# Altium PCB NodeSensor2.1.PcbDoc
Units mm, origin at the board's own origin, x right, y up, seen from the top; angles counter-clockwise.
Board outline 81.83 x 107.11 mm, 2 copper layers (Top Layer, Bottom Layer); 39 components, 46 nets, 177 pads, 15 vias.
Unrouted connection lines stored in the file: 1.
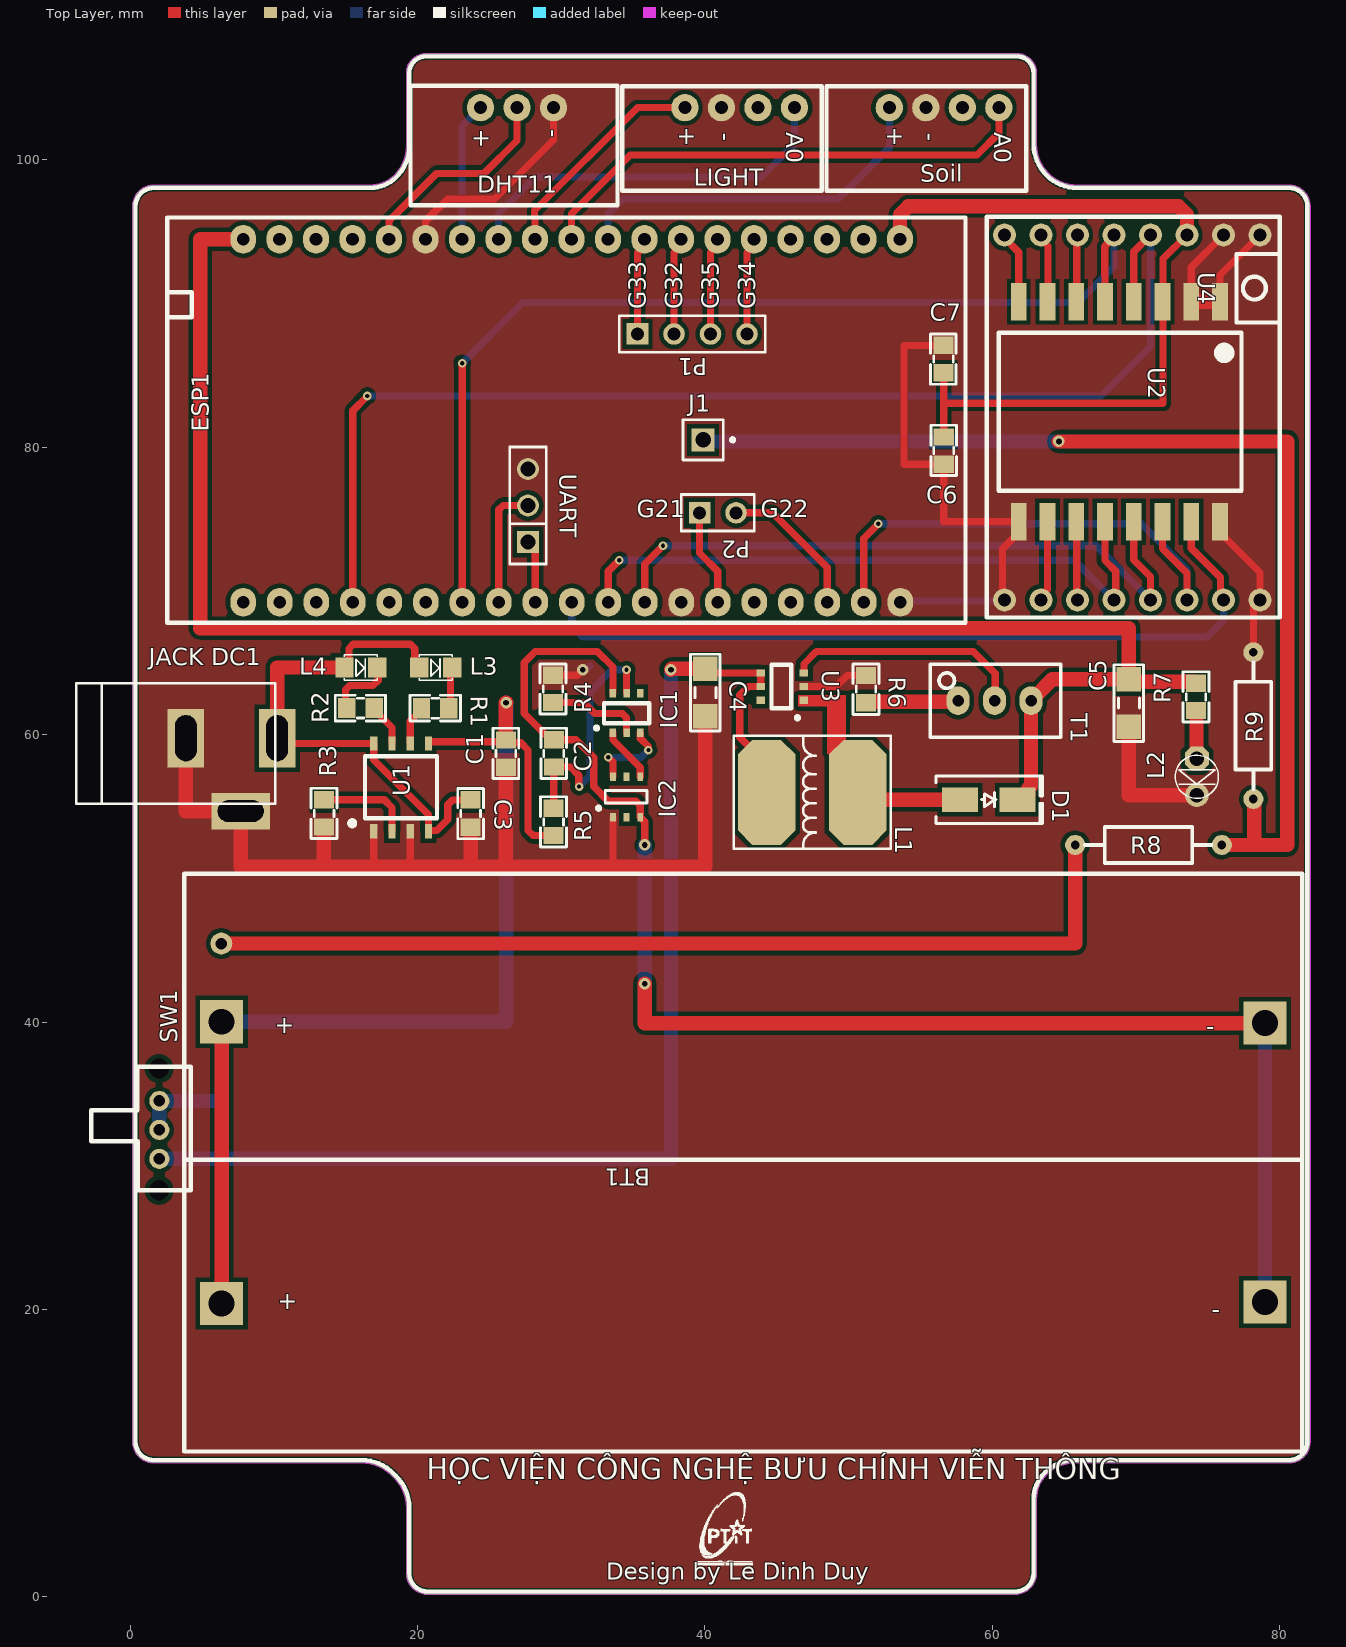
[diagram p0: Top Layer view]
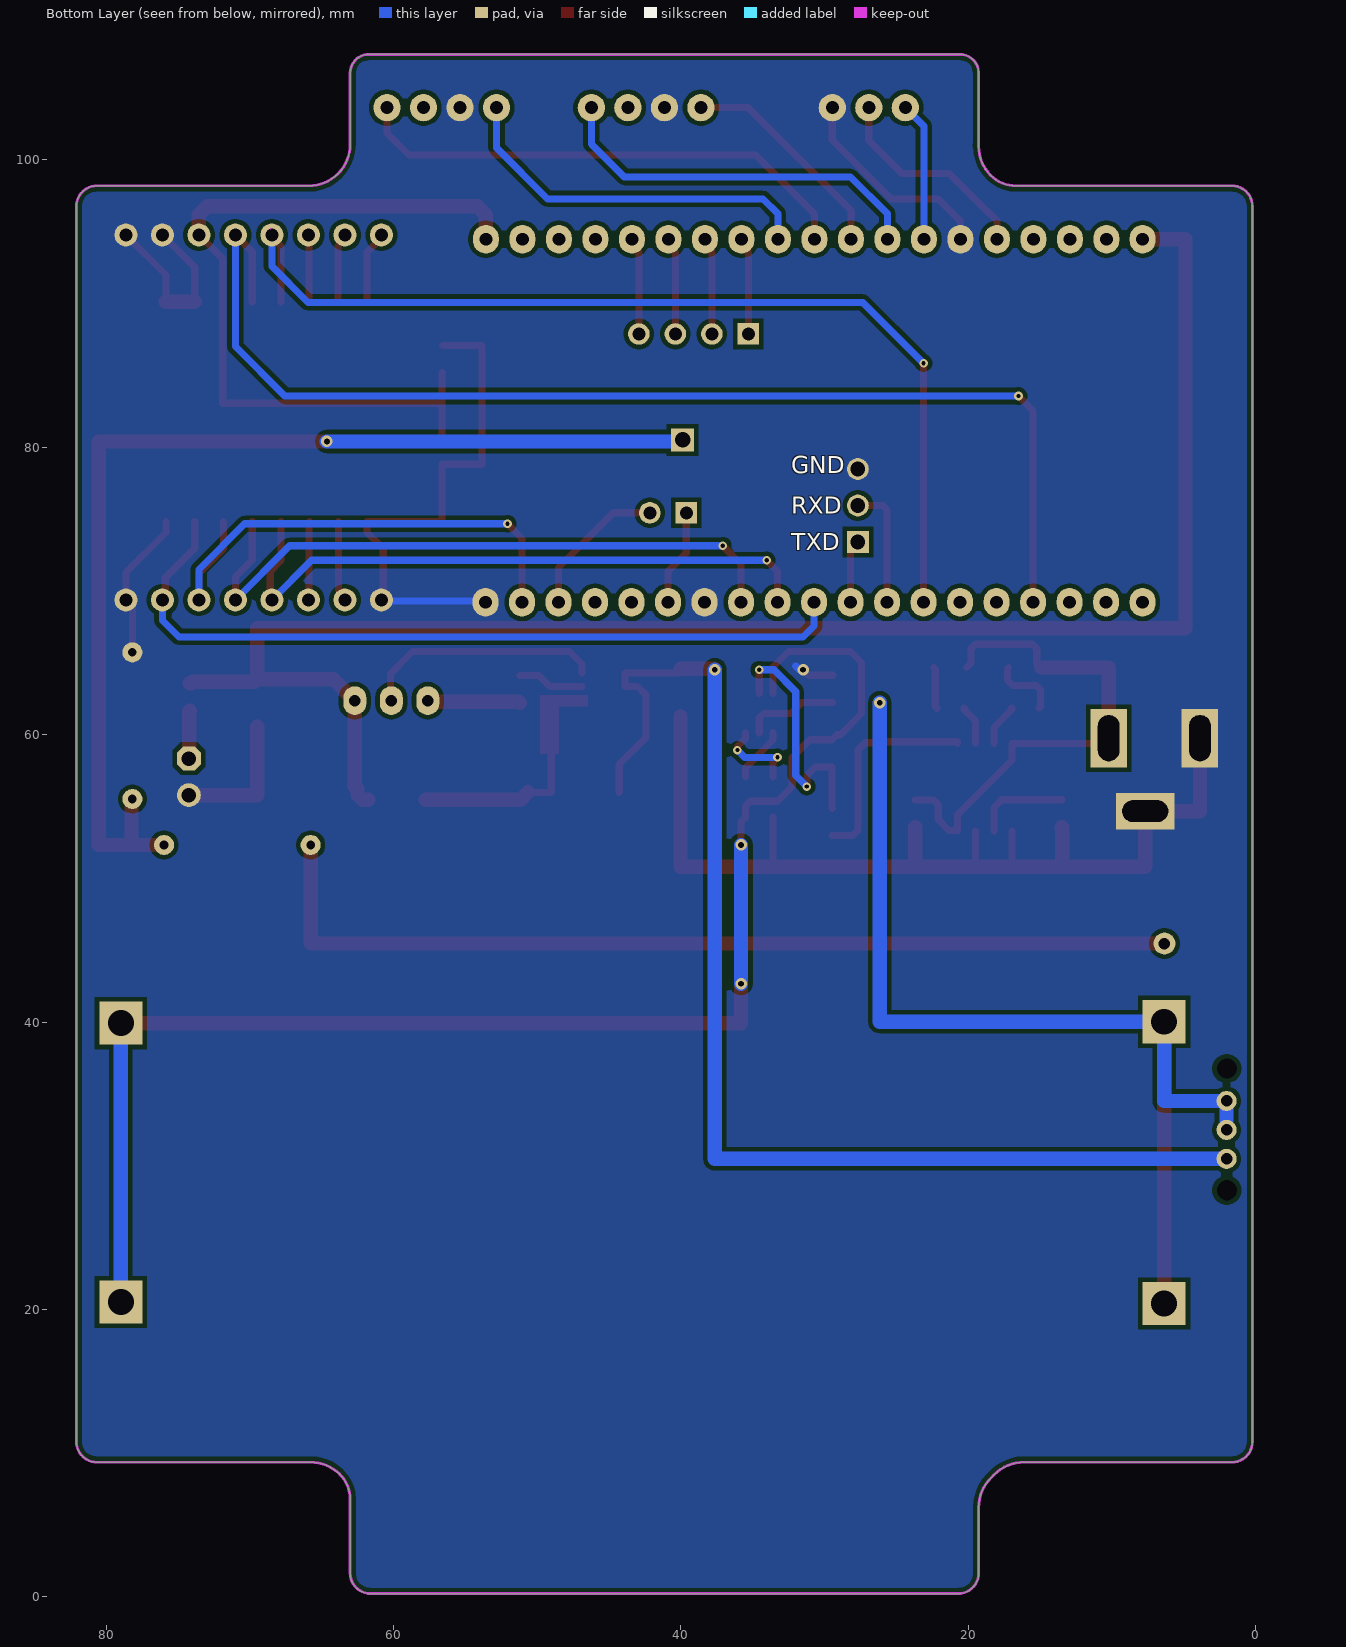
[diagram p1: Bottom Layer view, seen from below]
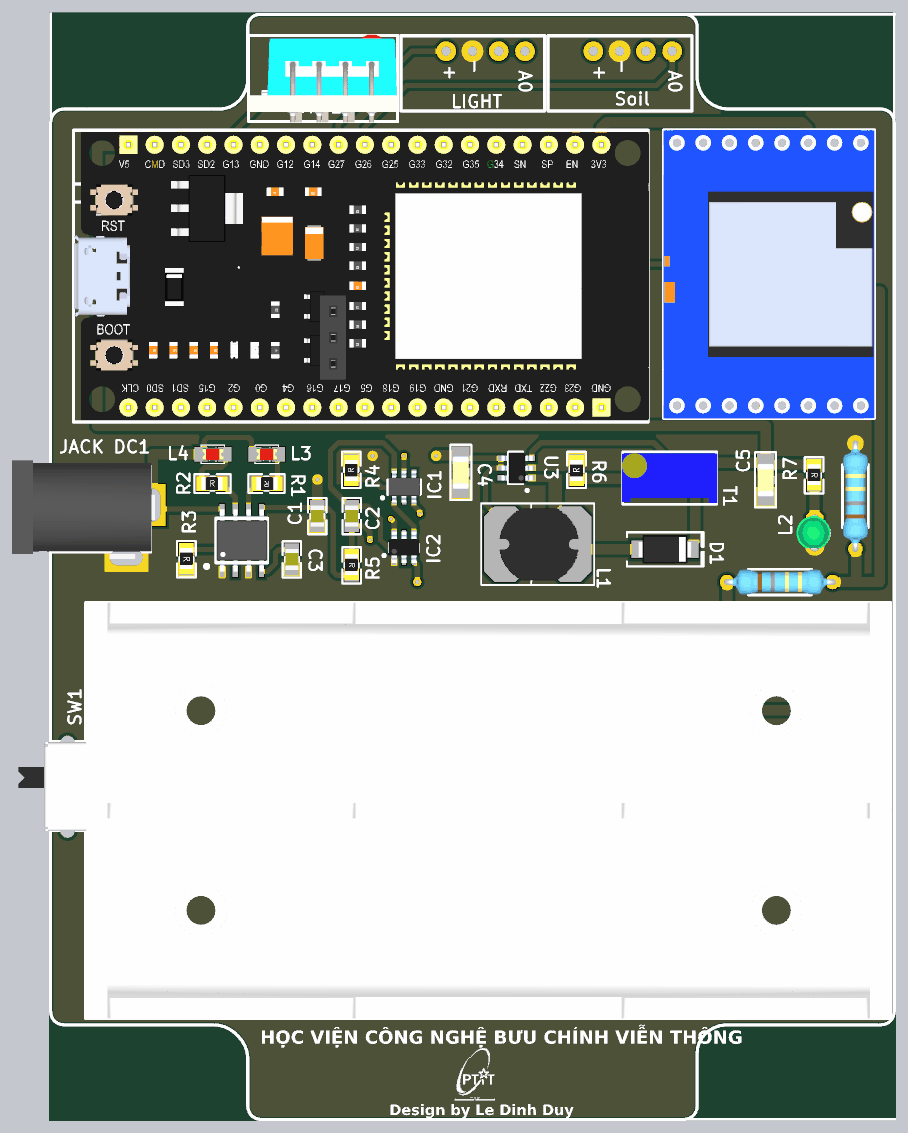
[diagram p2: 3D render of the assembled board from above, using the file's embedded part models]

## Layer stack, top to bottom
Top Solder: solder mask 0.0102, Solder Resist, Dk 3.5
Top Layer: signal copper 0.0356
Dielectric 1: dielectric 0.32, FR-4, Dk 4.8
Bottom Layer: signal copper 0.0356
Bottom Solder: solder mask 0.0102, Solder Resist, Dk 3.5

## Board outline
16.129,9.375 cw(c16.129,6.459) 18.191,8.521 18.427,8.285 cw(c16.365,6.223) 19.281,6.223 19.281,1.651 ccw(c20.701,1.651) 20.701,0.231 61.595,0.231 ccw(c61.595,1.651) 63.015,1.651 63.015,6.796 cw(c65.467,6.796) 63.733,8.529 cw(c63.761,8.501) 63.733,8.53 cw(c65.773,6.49) 65.773,9.375 80.645,9.375 ccw(c80.645,10.795) 82.065,10.795 82.065,96.774 ccw(c80.645,96.774) 80.645,98.194 65.887,98.194 cw(c65.887,101.048) 63.87,99.03 cw(c63.895,99.056) 63.869,99.03 cw(c63.59,98.752) 63.87,99.03 63.869,99.03 cw(c65.931,101.092) 63.015,101.092 63.015,106.045 ccw(c61.722,106.045) 61.722,107.338 20.574,107.338 ccw(c20.574,106.045) 19.283,106.12 ccw(c19.431,106.094) 19.281,106.094 19.281,101.086 ccw(c19.431,101.086) 19.296,101.019 ccw(c19.431,100.952) 19.281,100.952 cw(c16.396,100.952) 18.436,98.912 cw(c18.414,98.933) 18.435,98.912 cw(c16.702,100.646) 16.702,98.194 1.651,98.194 ccw(c1.651,96.774) 0.231,96.774 0.231,10.795 ccw(c1.651,10.795) 1.651,9.375

## Design rules (kind name [scope] priority, off if disabled: settings)
Clearance [All] p1: gap=0.3 ignorepadtopadclearanceinfootprint=FALSE
HoleSize [All] p1: absolutevalues=TRUE maxlimit=6.3 minlimit=0.2 maxpercent=80.000 minpercent=20.000
HoleToHoleClearance [All] p1: gap=0.54 allowstackedmicrovias=TRUE
MinimumAnnularRing [All] p1: minimumring=0.254
PlaneClearance [All] p1: clearance=0.6
PlaneConnect [All] p1: planeconnectstyle=Direct reliefexpansion=0.508 reliefentries=4 reliefconductorwidth=0.254 reliefairgap=0.254
PolygonConnect [All] p1: connectstyle=Direct reliefconductorwidth=0.254 reliefentries=4 polygonreliefangle="90 Angle" airgapwidth=0.254
RoutingVias [All] p1: holewidth=0.3 width=0.6 viastyle="Through Hole" minholewidth=0.2 minwidth=0.4 maxholewidth=0.5 maxwidth=1
SolderMaskExpansion [All] p1: expansion=0.102 istentingtop=FALSE
Width [All] p1: maxlimit=1 minlimit=0.3 preferedwidth=0.5 minimp=50.000000 maximp=50.000000 favimp=50.000000
26 further rules are at their usual default settings.

## Components (designator, comment, footprint, x,y, rotation, side; value= is the part's Value field where it differs from the comment)
BT1 "Pin 18650 x2" "De Pin 18650 x2" 42.672,30.226 r0 top
C1 "10uF" "tu 0805" 26.151,58.693 r270 top
C2 "100nF" "tu 0805" 29.481,58.693 r90 top
C3 "100nF" "tu 0805" 23.692,54.511 r90 top
C4 "22uF" "tu 1206" 40.024,62.925 r270 top
C5 "22uF" "tu 1206" 69.491,62.2 r270 top
C6 "100nF" "tu 0805" 56.617,79.777 r270 top
C7 "10uF" "tu 0805" 56.589,86.138 r90 top
D1 "SS34" "DIODE SMA" 59.752,55.482 r0 top
DHT11 "DHT11" "DHT11 Module" 26.924,103.632 r180 top
ESP1 "Devkit" "ESP32 DEVKIT 38Pin" 29.013,81.814 r270 top
IC1 "DW01A" DW01A 34.544,61.51 r90 top
IC2 "FS8205" FS8205 34.544,55.665 r90 top
J1 "JP 1x1 2.54" "JP 1x1 DT" 39.878,80.518 r270 top
"JACK DC1" "JACK DC 5.5" "JACK DC 5.5" 7.057,57.219 r0 top value="Jac DC"
L1 "22uH" "Cuon Cam 7x7x5" 43.653,55.986 r270 top
L2 "LED 3mm" LED-3MM-GREEN 74.235,58.337 r270 top
L3 "LED SMD" SM-LED-0805-Red 20.122,64.672 r0 top
L4 "LED SMD" SM-LED-0805-Red 14.912,64.672 r0 top
LIGHT "LM393 Sensor" "Soil /Light Sensor" 42.418,103.632 r180 top
P1 "Header 4" HDR1X4 35.306,87.884 r0 top
P2 "Header 2" HDR1X2 39.624,75.438 r0 top
R1 "1K" "tro smd 0805" 21.235,61.78 r180 top
R2 "1K" "tro smd 0805" 16.026,61.907 r0 top
R3 "1.2K" "tro smd 0805" 13.564,54.525 r270 top
R4 "1K" "tro smd 0805" 29.371,63.176 r90 top
R5 "100R" "tro smd 0805" 29.531,53.934 r270 top
R6 "2.2K" "tro smd 0805" 51.148,63.165 r90 top
R7 "330R" "tro smd 0805" 74.235,62.633 r270 top
R8 "27K" "tro vach 1/4w" 70.866,52.324 r180 top
R9 "100K" "tro vach 1/4w" 78.167,60.624 r270 top
Soil "LM393 Sensor" "Soil /Light Sensor" 56.642,103.632 r180 top
SW1 "SW" "CONG TAC GAT 3 PIN NGANG" 2.022,32.535 r270 top
T1 "100K" "Bien Tro Vi Chinh Dung" 60.152,62.365 r0 top
U1 "TP4056" TP4056 18.855,56.338 r90 top
U2 "Ra 02" "LoRa Ra 02" 68.834,82.469 r270 top
U3 "MT3608" MT3608 45.386,63.346 r180 top
U4 "Module LoRa Ra 02" "LoRa Ra 02 Module 2" 69.733,82.076 r270 top
UART "JP 1x3 2.54" "JP 1x3 CT" 27.686,73.406 r90 top

## Footprints (in the part's own frame and the unit in brackets; to place one, negate y for a bottom-side part, rotate by r counter-clockwise, add the part's x,y. Pads: shape width x height; smd on the part's side, far side on the other; paste and mask are expansions set on the pad)
"Bien Tro Vi Chinh Dung" [mm] "Bien tro vi chinh"
  oval 1.6x2 hole 0.8: 1(-2.54,0) 2(0,0) 3(2.54,0)
  silkscreen extent -4.47,-2.54 4.6,2.54, body extent -4.54,-2.4 4.66,2.4, height 12.02
"CONG TAC GAT 3 PIN NGANG" [mm]
  round 1.4 hole 0.8: 1(-1.975,0.01) 2(0.04,0.01) 3(2.055,0.01)
  round 0 hole 1.4: 12(-4.235,-0.01) 13(4.235,-0.01)
  silkscreen extent -4.36,-4.73 4.24,2.19, body extent -4.3,-4.73 4.3,2.21, height 5.2
"Cuon Cam 7x7x5" [mm] "Cuon Cam 7x7x5"
  oct 7.3x4 smd: 1(0,0.635) 2(0,6.985)
  silkscreen extent -3.94,-1.65 3.94,9.27, body extent -3.5,0.07 3.5,7.8, height 5.02
"De Pin 18650 x2" [mm]
  rect 3x3 hole 1.8: 1(-36.3,-9.8) 1(-36.3,9.8) 2(36.3,-9.7) 2(36.3,9.7)
  silkscreen extent -38.9,-20.1 38.9,20.1, body extent -38.81,-20.09 38.89,20.11, height 21.54
"DHT11 Module" [mm]
  round 1.9 hole 0.9: 1(-2.54,0) 2(0,0) 3(2.54,0)
  silkscreen extent -6.99,-1.52 7.41,6.79, body extent -6.98,-1.64 7.52,6.88, height 33.75
"DIODE SMA" [mm] "SMA"
  rect 2.5x1.7 smd: 1(-2,0) 2(2,0)
  silkscreen extent -3.68,-1.65 3.75,1.65, body extent -2.6,-1.37 2.6,1.37, height 2.4
DW01A [mm]
  rect 0.6x0.45 smd: 1(-1.375,0.95) 2(-1.375,0) 3(-1.375,-0.95) 4(1.375,-0.95) 5(1.375,0) 6(1.375,0.95)
  silkscreen extent -1.15,-1.58 0.67,2.19, body extent -1.47,-1.52 1.53,1.52, height 1.4
"ESP32 DEVKIT 38Pin" [mm]
  oval 2x1.8 hole 0.9: 1(-12.66,24.56) 2(-12.66,22.02) 3(-12.66,19.48) 4(-12.66,16.94) 5(-12.66,14.4) 6(-12.66,11.86) 7(-12.66,9.32) 8(-12.66,6.78) 9(-12.66,4.24) 10(-12.66,1.7) 11(-12.66,-0.84) 12(-12.66,-3.38) 13(-12.66,-5.92) 14(-12.66,-8.46) 15(-12.66,-11) 16(-12.66,-13.54) 17(-12.66,-16.08) 18(-12.66,-18.62) 19(-12.66,-21.14) 20(12.6,-21.14) 21(12.6,-18.6) 22(12.6,-16.06) 23(12.6,-13.52) 24(12.6,-10.98) 25(12.6,-8.44) 26(12.6,-5.9) 27(12.6,-3.36) 28(12.6,-0.82) 29(12.6,1.72) 30(12.6,4.26) 31(12.6,6.8) 32(12.6,9.34) 33(12.6,11.88) 34(12.6,14.42) 35(12.6,16.96) 36(12.6,19.5) 37(12.6,22.04) 38(12.6,24.58)
  silkscreen extent -14.18,-26.43 14.02,29.12, body extent -14.05,-26.39 13.89,29.19, height 9.6
FS8205 [mm]
  rect 0.6x0.4 smd: 1(-1.41,0.95) 2(-1.41,0) 3(-1.41,-0.95) 4(1.41,-0.95) 5(1.41,0) 6(1.41,0.95)
  silkscreen extent -0.88,-1.42 0.45,2.04, body extent -1.48,-1.5 1.52,1.5, height 1.3
HDR1X2 [mm] "Connector; Header; 2 Position"
  rect 1.5x1.5 hole 0.9: 1(0,0)
  round 1.5 hole 0.9: 2(2.54,0)
  silkscreen extent -1.27,-1.27 3.81,1.27
HDR1X4 [mm] "Connector; Header; 4 Position"
  rect 1.5x1.5 hole 0.9: 1(0,0)
  round 1.5 hole 0.9: 2(2.54,0) 3(5.08,0) 4(7.62,0)
  silkscreen extent -1.27,-1.27 8.89,1.27
"JACK DC 5.5" [mm] "Jac DC input"
  rect 2.54x4.064 hole 1.5 slot 3.2 at 90 deg: 1(3.175,2.54) 2(-3.175,2.54)
  rect 4.064x2.54 hole 1.5 slot 3.2 at 0 deg: 3(0.635,-2.54)
  silkscreen extent -10.79,-2.03 3.05,6.35, body extent -10.42,-2.67 3.4,6.84, height 11.02
"JP 1x1 DT" [mm] "1pins, 1 row, straight, gold plating"
  rect 1.6x1.6 hole 1.1: 1(0,0)
  silkscreen extent -1.4,-1.4 1.4,2.18, body extent -1.27,-1.27 1.27,1.27, height 8.54
"JP 1x3 CT" [mm]
  rect 1.52x1.52 hole 1.02: 1(0,0)
  round 1.52 hole 1.02: 2(2.54,0) 3(5.08,0)
  silkscreen extent -1.52,-1.27 6.6,1.27, body extent -1.52,-1.25 6.6,1.25, height 8.51
LED-3MM-GREEN [mil]
  oct 65x65 hole 40: 1(0,0)
  round 65 hole 40: 2(100,0)
  silkscreen extent -9,-59 109,59, body extent -15,-70 112,60, height 182
"LoRa Ra 02" [mm]
  rect 2.6x1.1 smd: 1(-7.65,7) 2(-7.65,5) 3(-7.65,3) 4(-7.65,1) 5(-7.65,-1) 6(-7.65,-3) 7(-7.65,-5) 8(-7.65,-7) 9(7.65,-7) 10(7.65,-5) 11(7.65,-3) 12(7.65,-1) 13(7.65,1) 14(7.65,3) 15(7.65,5) 16(7.65,7)
  silkscreen extent -5.5,-8.4 5.5,8.5, body extent -8,-8.5 8,8.5, height 3.03
"LoRa Ra 02 Module 2" [mm]
  round 1.6 hole 0.9: 1(-12.7,8.89) 2(-12.7,6.35) 3(-12.7,3.81) 4(-12.7,1.27) 5(-12.7,-1.27) 6(-12.7,-3.81) 7(-12.7,-6.35) 8(-12.7,-8.89) 9(12.7,-8.89) 10(12.7,-6.35) 11(12.7,-3.81) 12(12.7,-1.27) 13(12.7,1.27) 14(12.7,3.81) 15(12.7,6.35) 16(12.7,8.89)
  silkscreen extent -13.96,-10.12 13.92,10.28, body extent -13.95,-10.13 13.95,10.27, height 8.5
MT3608 [mm]
  rect 0.6x0.5 smd: 1(-1.5,0.95) 2(-1.5,0) 3(-1.5,-0.95) 4(1.5,-0.95) 5(1.5,0) 6(1.5,0.95)
  silkscreen extent -1.15,-1.53 0.75,2.27, body extent -1.57,-1.49 1.43,1.51, height 1.3
SM-LED-0805-Red [mil]
  rect 50x55 smd: 1(0,0) 2(90,0)
  silkscreen extent 0,-35 90,35, body extent 5,-25 85,25, height 43
"Soil /Light Sensor" [mm]
  round 1.9 hole 0.9: 1(-3.81,0) 1(-3.81,0) 2(-1.27,0) 3(1.27,0) 4(3.81,0)
  silkscreen extent -5.72,-1.5 8.18,5.78
TP4056 [mm]
  rect 1x0.5 smd: 1(-3.05,1.905) 2(-3.05,0.635) 3(-3.05,-0.635) 4(-3.05,-1.905) 5(3.05,-1.905) 6(3.05,-0.635) 7(3.05,0.635) 8(3.05,1.905)
  silkscreen extent -2.6,-2.5 2.15,3.5, body extent -3,-2.47 3,2.43, height 1.75
"tro smd 0805" [mm]
  rect 1.2x1.4 smd: 1(-0.946,-0.061) 2(0.954,-0.061)
  silkscreen extent -1.75,-0.97 1.75,0.84, body extent -1.56,-0.76 1.44,0.64, height 0.53
"tro vach 1/4w" [mm]
  round 1.4 hole 0.6: 1(-5.1,0) 2(5.1,0)
  silkscreen extent -4.39,-1.25 4.42,1.25, body extent -5.38,-1.2 5.38,1.2, height 2.41
"tu 0805" [mm] "Compoment SMD 80x50mil"
  rect 1.2x1.4 smd: 1(-0.946,-0.003) 2(0.954,-0.003)
  silkscreen extent -1.75,-0.89 1.75,0.89, body extent -1.01,-0.64 1.01,0.63, height 0.61
"tu 1206" [mm]
  rect 1.7x1.7 smd: 1(-1.65,0) 2(1.65,0)
  silkscreen extent -2.67,-1.02 2.67,1.02, body extent -1.57,-0.8 1.63,0.8, height 0.94

## Part data
BT1: library part "De Pin 18650 x2"
C1 C2 C3 C6 C7: library part "Tu 0805 104 50V 10%", "Dán", Chung_Loai=Dán, Don_Vi=Con, Ma_Hang=MH004551, So_Chan=2, Ten_Linh_Kien="Tụ 0805 104-100nF 10% 50V"
C4 C5: library part "Tu 1206 226 16V 20%", "Dán", Chung_Loai=Dán, Don_Vi=Con, Ma_Hang=MH004546, So_Chan=2, Ten_Linh_Kien="Tụ 1206 226-22uF 20% 16V"
D1: library part "Diode SS34 ( 1N5822 )", "Dán", Chung_Loai=Dán, Don_Vi=Con, Ma_Hang=MH002104, Ten_Linh_Kien="Diode SS34 3A 40V SMA ( 1N5822 SS34A)"
DHT11: library part "DHT11 Module"
ESP1: library part "ESP32 DEV KIT", "Board"
IC2: "SOT23-6"
J1: library part "JP 1x1 2.54 Duc Thang", "Cắm", Chung_Loai=Cắm, Don_Vi=Con, Ma_Hang=MH000903, Ten_Linh_Kien="Jump Đơn Đực 2.54MM 1x40P Thẳng 11MM"
L1: library part "CUON CAM 47uH SMD", "Dán", Chung_Loai=Dán, Don_Vi=Con, Ma_Hang=MH004211, Ten_Linh_Kien="Cuộn Cảm 47uH 7x7x4MM CD74R"
L2: library part "LED 3mm Xanh La", "Cắm", Chung_Loai=Cắm, Don_Vi=Con, Ma_Hang=MH001054, Ten_Linh_Kien="Led 3MM Phủ Xanh (10c)"
L3 L4: library part "LED SMD 0805"
LIGHT Soil: library part "Light/Soil sensor"
P1: "Header, 4-Pin", LatestRevisionDate=17-Jul-2002, LatestRevisionNote="Re-released for DXP Platform.", Publisher="Altium Limited"
P2: "Header, 2-Pin", LatestRevisionDate=17-Jul-2002, LatestRevisionNote="Re-released for DXP Platform.", Publisher="Altium Limited"
R1 R2 R3 R4 R5 R6 R7: library part "Tro 0805 5% 1k", "Dán", Chung_Loai=Dán, Don_Vi=Con, Ma_Hang=MH005234, So_Chan=2, Ten_Linh_Kien="Trở 0805 5% 1k"
R8 R9: library part "Tro Vach 1/4W 5% 27k", "Cắm", Chung_Loai=Cắm, Don_Vi=Con, Ma_Hang=MH007304, So_Chan=2, Ten_Linh_Kien="Trở Vạch 1/4w 5% 27k"
SW1: library part "CONG TAC GAT 3 PIN NGANG"
T1: library part "Bien Tro Tinh Chinh 10K Dung", "Cắm", Chung_Loai=Cắm, Don_Vi=Con, Ma_Hang=MH003232, Ten_Linh_Kien="Biến Trở VR 103-10K 3296W"
U2: library part "LoRa Ra 02", "SMD16"
U3: "SMD"
U4: library part "LoRa Ra 02 Module 2"
UART: library part "JP 1x3 2.54 Cai Thang", "Cắm", Chung_Loai=Cắm, Don_Vi=Con, Ma_Hang=MH004006, Ten_Linh_Kien="Jump Đơn Cái 2.54MM 1x20P Thẳng"

## Free pads (board coordinates)
  round 1.524 hole 0.8: 2(6.35,45.466)

## Via types
v1: diameter 0.6, hole 0.3, Top Layer to Bottom Layer, 9 vias
v2: diameter 0.8, hole 0.4, Top Layer to Bottom Layer, 6 vias

## Nets (pads, with @x,y where several pads share a name; then routed paths per layer and width w, separated by ;. In a path a pad name is that pad's centre, name@x,y a point inside that pad or via, vN(x,y) a via of type N, cw(c..) or ccw(c..) an arc to the next point about the centre after c; other vN are vias at no path point)
3V3: C6.1 C7.1 ESP1.1 U2.3 U4.3 | length 55.7
  Top Layer w0.5: C7.1 56.614,85.192 56.614,83.058 ; C6.1 56.614,83.058 ; U4.3 71.882,93.115 71.882,83.058 56.614,83.058
  Top Layer w1: ESP1.1 53.573,96.188 54.158,96.774 72.957,96.774 73.543,96.188 U4.3
5V+: C5.1 D1.2 ESP1.19 R7.1 T1.3 | length 118
  Top Layer w1: ESP1.19 4.887,94.474 4.887,67.414 69.491,67.414 C5.1 ; D1.2 62.152,55.482 62.502,55.832 62.502,56.232 62.692,56.423 T1.3 62.692,62.403 62.969,62.68 63.006,62.68 64.176,63.85 C5.1 ; R7.1 74.074,63.578 73.974,63.678 69.663,63.678 C5.1
"A0 LIGHT": ESP1.12 LIGHT.1 | length 27.3
  Top Layer w0.5: LIGHT.1@45.974,103.378 LIGHT.1@46.228,103.632
  Bottom Layer w0.5: ESP1.12 25.633,96.245 28.194,98.806 43.942,98.806 46.228,101.092 LIGHT.1@46.228,103.632
"A0 SOIL": ESP1.10 Soil.1 | length 35.6
  Top Layer w0.5: ESP1.10 30.713,96.245 34.798,100.33 58.928,100.33 60.452,101.854 Soil.1@60.452,103.632
B+: BT1.1 C1.1 pad.2 R5.2 R8.2 SW1.1 SW1.2 U1.5 | length 157.3
  Top Layer w0.5: U1.5 20.76,59.513 26.022,59.513 C1.1 26.35,59.436 27.178,59.436 27.686,58.928 27.686,53.34 28.046,52.98 R5.2
  Top Layer w1: pad.2 65.766,45.466 R8.2 ; BT1.1@6.372,20.426 BT1.1@6.372,40.026 ; C1.1 26.148,62.216 v2(26.162,62.23)
  Bottom Layer w1: SW1.2 SW1.1 6.372,34.51 6.372,40.026 26.162,40.026 v2(26.162,62.23)
B-: BT1.2 C2.2 IC1.6 IC2.3 | length 102
  Top Layer w0.5: IC1.6 33.594,64.704 32.512,65.786 28.194,65.786 27.432,65.024 27.432,61.468 28.903,59.997 29.134,59.997 C2.2 31.031,59.647 32.258,58.42 32.258,56.388 33.274,55.372 35.201,55.372 35.494,55.079 IC2.3 35.814,53.935 v2(35.814,52.324)
  Top Layer w1: v2(35.814,42.672) 35.814,39.926 BT1.2@78.972,39.926
  Bottom Layer w1: v2(35.814,42.672) v2(35.814,52.324) ; BT1.2@78.972,20.526 BT1.2@78.972,39.926
DAT: DHT11.2 ESP1.15 | length 14.8
  Top Layer w0.5: ESP1.15 18.013,95.758 18.499,96.245 18.521,96.245 21.336,99.06 24.638,99.06 26.924,101.346 DHT11.2
DHT_V: DHT11.3 ESP1.13 | length 9.7
  Bottom Layer w0.5: ESP1.13 23.093,102.341 DHT11.3
G21: ESP1.33 P2.1 | length 6.8
  Top Layer w0.5: P2.1 39.624,72.644 40.894,71.374 40.894,69.215 ESP1.33
G22: ESP1.36 P2.2 | length 10.3
  Top Layer w0.5: P2.2 44.704,75.438 48.514,71.628 48.514,69.215 ESP1.36
G32: ESP1.7 P1.2 | length 6.8
  Top Layer w0.5: P1.2 37.846,93.536 38.333,94.022 ESP1.7
G33: ESP1.8 P1.1 | length 6.8
  Top Layer w0.5: P1.1 35.306,93.536 35.793,94.022 ESP1.8
G34: ESP1.5 P1.4 | length 6.8
  Top Layer w0.5: P1.4 42.926,93.536 43.413,94.022 ESP1.5
G35: ESP1.6 P1.3 | length 6.8
  Top Layer w0.5: P1.3 40.386,93.536 40.873,94.022 ESP1.6
GND: "JACK DC1.2" "JACK DC1.3" C1.2 C3.1 C4.2 C5.2 C6.2 C7.2 DHT11.1 ESP1.14 ESP1.32 ESP1.38 IC2.1 L2.2 LIGHT.3 R3.2 R4.2 R6.2 R9.1 Soil.3 U1.1 U1.3 U2.1 U2.2 U2.9 U2.16 U3.2 U4.1 U4.2 U4.9 U4.16 UART.3 | length 168.7
  Top Layer w0.5: 16.95,50.8 U1.1 ; U1.3 19.49,50.868 19.558,50.8 ; ESP1.14 20.553,95.758 20.574,95.758 22.098,97.282 25.361,97.282 29.464,101.385 DHT11.1 ; R4.2 31.11,64.13 v2(31.496,64.516) ; 33.528,50.8 33.594,50.8 IC2.1 ; U3.2 49.122,63.346 49.896,64.12 R6.2 ; C7.2 53.848,87.092 53.848,78.822 C6.2 56.614,74.819 U2.9 61.834,74.069 60.706,72.941 60.706,69.513 U4.9 ; U2.2 73.834,92.528 U4.2 ; U2.16 75.834,74.069 78.623,71.281 U4.16 78.167,69.376 R9.1 ; U2.1 75.834,91.988 U4.1
  Top Layer w1: 3.882,59.759 3.882,54.679 7.692,54.679 7.692,50.8 13.462,50.8 ; R3.2 13.462,53.571 13.462,50.8 ; C3.1 23.695,50.8 ; C1.2 26.148,50.8 ; 33.528,50.8 26.148,50.8 ; 33.594,50.8 40.024,50.8 C4.2 ; C5.2 69.491,55.797 L2.2 ; U2.2 U2.1 ; 13.462,50.8 16.95,50.8 19.558,50.8 23.695,50.8 ; 23.695,50.8 26.148,50.8
  Bottom Layer w0.5: v2(31.496,64.516) 31.75,64.516 32.004,64.77 ; ESP1.38 53.674,69.295 60.762,69.295 U4.9
IO0: ESP1.26 U2.5 U4.5 | length 71.9
  Top Layer w0.5: ESP1.26@23.113,69.215 v1(23.114,85.852) ; U2.5 67.834,91.948 67.818,91.964 67.818,93.98 68.463,94.625 U4.5
  Bottom Layer w0.5: v1(23.114,85.852) 27.344,90.082 65.952,90.082 68.463,92.593 U4.5
IO1: U2.6 U4.6 | length 4.7
  Top Layer w0.5: U2.6 65.878,90.163 65.878,94.732 U4.6
IO2: U2.7 U4.7 | length 4.9
  Top Layer w0.5: U4.7 63.383,94.478 63.864,93.997 63.864,90.149 U2.7
IO3: U2.8 U4.8 | length 5.1
  Top Layer w0.5: U4.8 60.843,94.567 61.834,93.576 U2.8
IO4: U2.10 U4.10 | length 5.6
  Top Layer w0.5: U4.10 63.383,69.674 63.834,70.125 U2.10
IO5: U2.11 U4.11 | length 5.5
  Top Layer w0.5: U2.11 65.878,74.775 65.878,69.42 U4.11
LIGHT_V: ESP1.11 LIGHT.4 | length 15.4
  Top Layer w0.5: ESP1.11 28.173,96.033 28.147,96.059 28.147,96.473 35.306,103.632 LIGHT.4
MISO: ESP1.31 U2.13 U4.13 | length 45.9
  Top Layer w0.5: ESP1.31 35.813,71.881 v1(37.084,73.152) ; U2.13 69.834,72.152 71.003,70.983 U4.13
  Bottom Layer w0.5: v1(37.084,73.152) 67.227,73.152 U4.13
MOSI: ESP1.37 U2.14 U4.14 | length 36.9
  Top Layer w0.5: ESP1.37@51.053,69.214 51.053,73.659 v1(52.07,74.676) ; U2.14 71.834,72.946 73.543,71.237 U4.14
  Bottom Layer w0.5: v1(52.07,74.676) 70.358,74.676 73.543,71.491 U4.14
NetC2_1: C2.1 IC1.5 R5.1 | length 17.4
  Top Layer w0.5: R5.1 29.477,54.887 29.477,57.741 C2.1 30.645,57.747 31.223,57.169 31.223,56.407 v1(31.242,56.388) ; IC1.5 v1(34.544,64.516)
  Bottom Layer w0.5: v1(31.242,56.388) 32.004,57.15 32.004,62.992 33.528,64.516 v1(34.544,64.516)
NetC3_2: "JACK DC1.1" C3.2 L3.1 L4.1 U1.4 U1.8 | length 36.3
  Top Layer w0.5: 10.232,59.759 10.603,59.388 U1.8 16.95,58.234 20.76,54.424 U1.4@20.76,53.34 ; L4.1 15.232,64.991 15.232,66.001 15.525,66.294 19.51,66.294 19.803,66.001 19.803,64.991 L3.1 ; U1.4 U1.4@20.76,53.34 ; C3.2 22.445,55.465 22.098,55.118 22.098,54.102 21.336,53.34 U1.4@20.76,53.34
  Top Layer w1: 10.232,59.759 10.232,64.672 L4.1
NetC4_1: C4.1 L1.1 SW1.3 U3.4 U3.5 | length 86.4
  Top Layer w0.5: C4.1 40.024,64.296 U3.4 U3.5 43.026,63.346 42.418,62.738 42.418,59.827 44.288,57.957 L1.1
  Top Layer w1: v2(37.636,64.523) 37.689,64.575 C4.1
  Bottom Layer w1: SW1.3 37.636,30.48 v2(37.636,64.523)
NetD1_1: D1.1 L1.2 U3.1 | length 17.5
  Top Layer w0.5: U3.1 49.022,62.396 49.022,55.986 L1.2
  Top Layer w1: L1.2 51.141,55.482 D1.1
NetIC1_2: IC1.2 R4.1 | length 6.6
  Top Layer w0.5: R4.1 31.578,62.23 32.34,61.468 34.251,61.468 34.544,61.175 IC1.2
NetJ1_1: J1.1 R8.1 R9.2 | length 80.1
  Top Layer w1: v2(64.632,80.403) 80.518,80.403 80.518,52.324 78.232,52.324 ; R8.1 78.232,52.324 ; R9.2 78.232,55.524 78.232,52.324
  Bottom Layer w0.5: J1.1 43.18,80.518 43.18,80.403
  Bottom Layer w1: J1.1 39.878,80.403 43.18,80.403 v2(64.632,80.403)
NetL2_1: L2.1 R7.2 | length 3.5
  Top Layer w1: R7.2 74.204,61.648 74.204,58.367 L2.1 L2.1@74.235,58.457
NetL3_2: L3.2 R1.1 | length 2.9
  Top Layer w0.5: R1.1 22.295,61.954 22.295,64.559 L3.2
NetL4_2: L4.2 R2.1 | length 4.8
  Top Layer w0.5: R2.1 14.986,61.94 14.986,63.131 15.279,63.424 16.903,63.424 17.272,63.793 17.272,64.599 L4.2
NetR1_2: R1.2 U1.6 | length 2.8
  Top Layer w0.5: U1.6 19.49,60.95 20.281,61.74 R1.2
NetR2_2: R2.2 U1.7 | length 3
  Top Layer w0.5: R2.2 16.98,61.746 18.22,60.506 U1.7
NetR3_1: R3.1 U1.2 | length 6.6
  Top Layer w0.5: R3.1 17.681,55.471 18.22,54.932 U1.2
NetR6_1: R6.1 T1.1 | length 6.5
  Top Layer w1: R6.1 51.282,62.292 57.539,62.292 T1.1
NetT1_2: T1.2 U3.3 | length 16.8
  Top Layer w0.5: U3.3 46.886,64.92 47.752,65.786 58.674,65.786 60.198,64.262 60.198,62.411 T1.2
NSS: ESP1.29 U2.15 U4.15 | length 55.6
  Top Layer w0.5: U2.15 73.834,72.978 75.886,70.926 75.886,69.573 U4.15
  Bottom Layer w0.5: ESP1.29 30.733,67.565 31.496,66.802 74.93,66.802 76.083,67.955 U4.15
OC: IC1.3 IC2.6 | length 5.9
  Top Layer w0.5: v1(33.274,58.42) 33.296,58.42 33.594,58.122 IC2.6 ; IC1.3 35.494,59.756 36.068,59.182 v1(36.068,58.928)
  Bottom Layer w0.5: v1(33.274,58.42) 35.56,58.42 v1(36.068,58.928)
OD: IC1.1 IC2.4 | length 3.8
  Top Layer w0.5: IC1.1 33.594,59.624 35.494,57.724 IC2.4
RST: ESP1.23 U2.4 U4.4 | length 83.6
  Top Layer w0.5: ESP1.23 15.493,82.549 v1(16.51,83.566) ; U2.4 69.834,93.608 U4.4
  Bottom Layer w0.5: v1(16.51,83.566) 67.564,83.566 71.003,87.005 U4.4
RXD2: ESP1.27 UART.2 | length 8.6
  Top Layer w0.5: ESP1.27 25.654,69.215 25.654,75.653 25.947,75.946 UART.2
SCK: ESP1.30 U2.12 U4.12 | length 44.6
  Top Layer w0.5: ESP1.30 33.273,71.373 v1(34.036,72.136) ; U2.12 67.834,72.12 68.58,71.374 68.58,69.493 U4.12
  Bottom Layer w0.5: v1(34.036,72.136) 65.703,72.136 U4.12
SOIL_V: ESP1.9 Soil.4 | length 26
  Bottom Layer w0.5: ESP1.9 33.253,96.245 34.29,97.282 49.276,97.282 52.832,100.838 Soil.4
TXD2: ESP1.28 UART.1 | length 4.4
  Top Layer w0.5: UART.1 28.193,72.899 ESP1.28
pads on no net: ESP1.2 ESP1.3 ESP1.4 ESP1.16 ESP1.17 ESP1.18 ESP1.20 ESP1.21 ESP1.22 ESP1.24 ESP1.25 ESP1.34 ESP1.35 IC1.4 IC2.2 IC2.5 LIGHT.2 Soil.2 SW1.12 SW1.13 U3.6

## Polygon pours and split planes (outlines as drawn)
GND on Top Layer "GND_L01_P000" (solid, remove dead copper, pour order 0): -9.906,112.522 100.076,112.522 100.076,-9.144 -9.906,-9.144 -9.906,112.268
GND on Bottom Layer "GND_L02_P001" (solid, remove dead copper, pour order 1): -5.588,116.332 -5.588,116.078 94.996,116.078 94.996,-7.62 -5.334,-7.62 -5.334,116.078

## Keep-outs
Keep-Out Layer:
  lines w0.1: 68.564,95.221 ccw(c68.564,95.071) 68.556,95.221 ; 68.556,95.221 ccw(c68.543,95.617) 68.559,95.221 68.556,95.221
  lines w0.2: 63.869,99.03 cw(c65.931,101.092) 63.015,101.092 63.015,106.045 ccw(c61.722,106.045) 61.722,107.338 20.574,107.338 ccw(c20.574,106.045) 19.283,106.12 ccw(c19.431,106.094) 19.281,106.094 19.281,101.086 ccw(c19.431,101.086) 19.296,101.019 ccw(c19.431,100.952) 19.281,100.952 cw(c16.396,100.952) 18.436,98.912 cw(c18.414,98.933) 18.435,98.912 cw(c16.702,100.646) 16.702,98.194 1.651,98.194 ccw(c1.651,96.774) 0.231,96.774 0.231,10.795 ccw(c1.651,10.795) 1.651,9.375 16.129,9.375 cw(c16.129,6.459) 18.191,8.521 18.427,8.285 cw(c16.365,6.223) 19.281,6.223 19.281,1.651 ccw(c20.701,1.651) 20.701,0.231 61.595,0.231 ccw(c61.595,1.651) 63.015,1.651 63.015,6.796 cw(c65.467,6.796) 63.733,8.529 cw(c63.761,8.501) 63.733,8.53 cw(c65.773,6.49) 65.773,9.375 80.645,9.375 ccw(c80.645,10.795) 82.065,10.795 82.065,96.774 ccw(c80.645,96.774) 80.645,98.194 65.887,98.194 cw(c65.887,101.048) 63.87,99.03 ; 63.87,99.03 ccw(c63.59,98.752) 63.869,99.03 ; 63.869,99.03 ccw(c63.895,99.056) 63.87,99.03 ; 63.869,99.03 63.87,99.03

## Other copper
Top Layer:
  region net NetD1_1: 46.482,62.738 49.784,62.738 49.784,58.674 48.514,58.674 48.514,61.976 46.482,61.976 46.482,62.23

## Silkscreen, mask and mechanical layers (free items; w line width, h text height)
Top Overlay:
  drawing of 614 lines, arcs and shapes, not listed
  text "-" at 41.802,101.292 h1.2 r90
  text "-" at 56.026,101.292 h1.2 r90
  text "+" at 38.046,101.092 h1.2
  text "+" at 52.524,101.092 h1.2
  text "G33" at 35.868,89.608 h1.2 r90
  text "G32" at 38.408,89.608 h1.2 r90
  text "G35" at 40.948,89.608 h1.2 r90
  text "G34" at 43.488,89.608 h1.2 r90
  text "G21" at 35.252,75.13 h1.2
  text "G22" at 43.888,75.13 h1.2
  text "HỌC VIỆN CÔNG NGHỆ BƯU CHÍNH VIỄN THÔNG" at 20.627,7.699 h2.5
  text "Design by Le Dinh Duy" at 33.119,0.801 h2
Bottom Overlay:
  text "GND" at 32.312,78.178 h1.2
  text "RXD" at 32.312,75.384 h1.2
  text "TXD" at 32.312,72.844 h1.2

## Dimensions
0.381,96.139 to 81.915,96.456 on Top Overlay
22.987,0.381 to 57.531,107.188 on Top Overlay

## Text inside footprints (layer, text, board x,y; h text height)
BT1: Top Overlay "+" at 10.072,39.226 h1.2; Top Overlay "+" at 10.272,20.026 h1.2; Top Overlay "-" at 75.272,19.426 h1.2; Top Overlay "-" at 74.872,39.126 h1.2
DHT11: Top Overlay "+" at 23.918,102.148 h1.2 r270; Top Overlay "-" at 28.918,102.138 h1.2 r270
LIGHT: Top Overlay "A0" at 45.666,101.908 h1.2 r270
Soil: Top Overlay "A0" at 60.144,101.908 h1.2 r270